# Altium PCB Supply_modulev3.0.PcbDoc (continued)
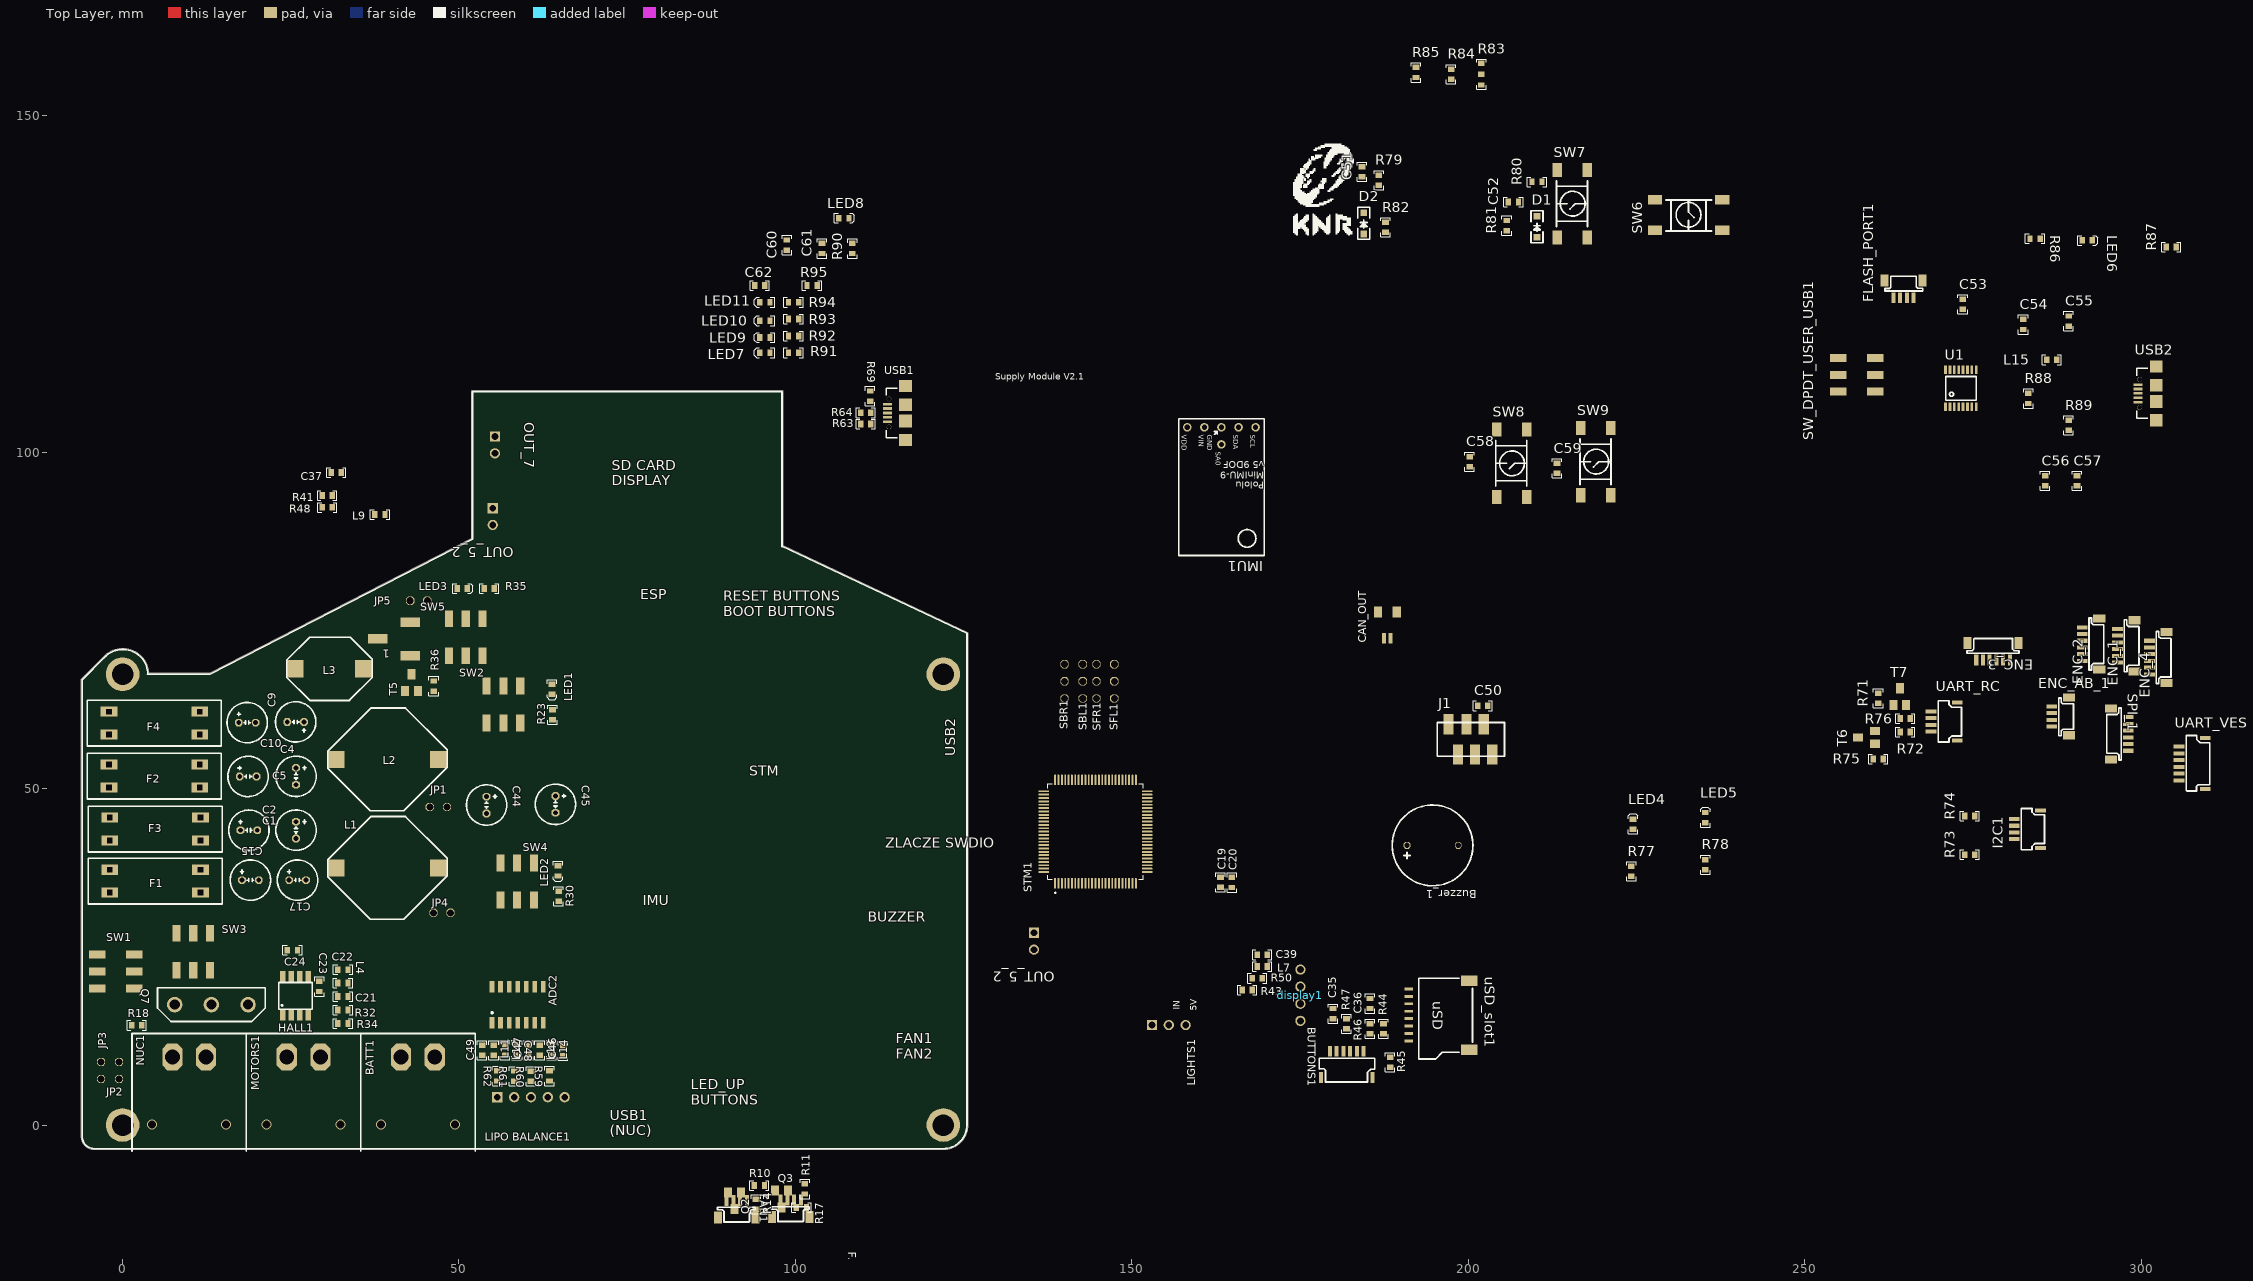
[diagram p0: Top Layer view]
## Components (designator, comment, footprint, x,y, rotation, side; value= is the part's Value field where it differs from the comment) (continued)
R64 "22" R0603 111.221,105.873 r180 top
R65 "22k" R0603 63.464,6.445 r90 bottom
R66 "5.6k" R0603 60.781,6.502 r90 bottom
R67 "8.2k" R0603 58.191,6.579 r90 bottom
R68 "5.6k" R0603 55.753,6.502 r90 bottom
R69 "1.5k" R0603 111.119,109.098 r270 top
R70 "12k" R0603 194.153,58.568 r90 bottom
R71 "Res" R0603 260.951,62.671 r90 top
R72 "Res" R0603 264.201,58.421 r0 top
R73 "Res" R0603 275.3,40.185 r180 top
R74 "Res" R0603 275.3,45.935 r180 top
R75 "Res" R0603 261.701,54.421 r180 top
R76 "Res" R0603 264.201,60.421 r0 top
R77 "Res" R0603 224.241,36.959 r90 top
R78 "Res" R0603 235.241,37.959 r90 top
R79 "Res" R0603 186.725,139.696 r90 top
R80 "Res" R0603 210.975,140.196 r180 top
R81 "Res" R0603 205.725,132.946 r90 top
R82 "Res" R0603 187.725,132.696 r90 top
R83 "Res_2_way" "R0603 - double" 201.975,156.196 r90 top
R84 "Res" R0603 197.475,155.446 r90 top
R85 "Res" R0603 192.225,155.696 r90 top
R86 "Res" R0603 283.5,131.75 r0 top
R87 "Res" R0603 305.25,130.5 r180 top
R88 "Res" R0603 283.25,107.25 r90 top
R89 "Res" R0603 289.25,103.25 r90 top
R90 "Res" R0603 108.471,131.043 r270 top
R91 "Res" R0603 100.471,114.793 r180 top
R92 "Res" R0603 100.471,117.293 r180 top
R93 "Res" R0603 100.471,119.793 r180 top
R94 "Res" R0603 100.471,122.293 r180 top
R95 "Res" R0603 103.221,124.793 r180 top
SBL1 "Servo_con" Raster_2.54_3pin 142.713,68.493 r270 top
SBR1 "Servo_con" Raster_2.54_3pin 140.013,68.493 r270 top
SD1 "" SOD128 36.576,32.385 r0 bottom
SD2 "" SOD128 36.83,48.26 r0 bottom
SD3 "" SOD128 31.25,74.25 r0 bottom
SERVO_CHECK1 "4 PIN CONNECTOR" "JST SR SH 1.0 TOP - 4PIN" 149.928,68.693 r0 bottom
SFL1 "Servo_con" Raster_2.54_3pin 147.403,68.493 r270 top
SFR1 "Servo_con" Raster_2.54_3pin 144.753,68.493 r270 top
SPI_1 "SPI" "JST SR SH 1.0 TOP - 6PIN" 295.55,61.935 r270 top
STM1 "STM32F439VIT6" LQFP100 144.602,43.612 r90 top
SW1 "3-way switch" Slide_Switch 1.727,20.32 r90 top
SW2 "3-way switch" Slide_Switch 54.102,59.741 r0 top
SW3 "3-way switch" Slide_Switch 13,28.5 r180 top
SW4 "3-way switch" Slide_Switch 56.153,33.466 r0 top
SW5 "3-way switch" Slide_Switch 48.5,69.75 r0 top
SW6 "RESET" "LSH Gullwing" 227.75,137.5 r180 top
SW7 "BOOT" "LSH Gullwing" 217.725,141.946 r90 top
SW8 "BOOT" "LSH Gullwing" 208.714,103.355 r90 top
SW9 "RESET" "LSH Gullwing" 221.214,103.605 r90 top
SW_DPDT_USER_USB1 "DPDT_C&K" JS202011SCQN_C&K 255,109 r90 top
T1 "T1" SOT23 194.253,42.318 r0 bottom
T2 "" SOT23 13,24 r180 bottom
T3 "T1" SOT23 56.21,54.534 r180 bottom
T4 "T1" SOT23 58.014,28.169 r180 bottom
T5 "T1" SOT23 42,64.5 r0 top
T6 "T1" SOT23 260.451,56.671 r90 top
T7 "T1" SOT23 263.201,62.421 r0 top
Therm1 "DS18B20" uSOP8 49.606,28.194 r270 bottom
TVS1 "TVS" "TVS DO-214AA" 62.23,92.278 r270 bottom
TVS2 "TVS" "TVS DO-214AA" 136.5,9 r0 bottom
TVS3 "TVS" "TVS DO-214AA" 62.662,98.933 r90 bottom
TVS4 "TVS" "TVS DO-214AA" 68.478,49.809 r270 bottom
U1 "FT230XS_ON_BOARD" SSOP16 275.5,112.25 r0 top
UART_RC "FLASH_PORT1" "JST SR SH 1.0 - 4PIN" 272.701,57.171 r90 top
UART_VESC "UART" "JST SR SH 1.0 - 6PIN" 309.55,49.935 r90 top
USB1 "629105136821" 629105136821 116.369,105.848 r90 top
USB2 "629105136821" 629105136821 302.25,108.75 r90 top
uSD_slot1 "ATTEND 112K-TAA0-RA1" "ATTEND 112K-TAA0-RA1" 200.153,21.818 r270 top

## Footprints (in the part's own frame and the unit in brackets; to place one, negate y for a bottom-side part, rotate by r counter-clockwise, add the part's x,y. Pads: shape width x height; smd on the part's side, far side on the other; paste and mask are expansions set on the pad)
2.5mm [mil]
  oct 45x45 hole 28: 1(0,0) 2(98.43,0)
  silkscreen extent -69,-118 167,118, body extent -49,-98 148,98, height 433
0603#1 [mm]
  rect 0.8x1 smd: 1(0,0) 2(1.5,0)
  silkscreen extent -0.67,-0.71 2.17,0.71, body extent -0.01,-0.43 1.59,0.43, height 0.83
0603#2 [mm]
  rect 1.27x1.143 smd: 1(0,0) 2(2.032,0)
  silkscreen extent -1.02,-0.89 3.05,0.89, body extent 0.22,-0.43 1.82,0.43, height 0.83
"3557-2 KEYSTONE" [mm] "automotive fuse holder"
  rect 2.5x1.5 hole 0.8 square: 1(0,0) 1(0,3.4) 2(13.5,0) 2(13.5,3.4)
  silkscreen extent -3.2,-1.7 16.7,5.1, body extent -3.13,-1.58 16.68,5.15, height 7.94
629105136821 [mm] "Micro USB 2.0 SMT Type B Horizontal 5 Contacts"
  rect 0.4x1.35 smd: 1(-1.3,2.675) 2(-0.65,2.675) 3(0,2.675) 4(0.65,2.675) 5(1.3,2.675)
  round 0.7 hole 0.7 unplated: MH1(-2.075,2.45) MH2(2.075,2.45)
  rect 1.8x1.9 smd: Shell(-4,0) Shell(4,0)
  rect 1.9x1.9 smd: Shell(-1.2,0) Shell(1.2,0)
  silkscreen extent -3.7,1.25 3.7,2.85, body extent -4,-2.73 4,3.17, height 2.69
"ATTEND 112K-TAA0-RA1" [mm]
  rect 0.42x1.3 smd: 1(9.3,-9) 2(8.2,-9) 3(7.1,-9) 4(6,-9) 5(4.9,-9) 6(3.8,-9) 7(2.7,-9) 8(1.6,-9)
  rect 1.5x2.4 smd: ""(0.37,0) ""(10.63,0)
  silkscreen extent 0,-7.5 12,0.5, body extent 0,-8.96 12.1,1, height 1.49
Buzzer_LOUDITY [mm]
  oct 1x1 hole 0.8: 1(-7.6,0) 2(0,0)
  silkscreen extent -9.8,-6 2.2,6, body extent -9.8,-6 5.65,6, height 9.65
CSTCC8M00G53-R0 [mm]
  rect 1.2x4.4 smd: 1(0,0) 2(2.5,0) 3(5,0)
  silkscreen extent -1.27,-2.54 6.35,2.67, body extent -1.06,-1.52 6.14,1.48, height 1.25
DL22 [mm]
  rect 2.54x2.54 smd: 1(0,0) 2(10.16,0)
  silkscreen extent -1.3,-4.7 11.4,4.7
DL50 [mm]
  rect 2.54x2.54 smd: 1(0,0) 2(15.24,0)
  silkscreen extent -1.25,-7.62 16.5,7.62
DS1015-06-06R6SR [mm] "DS1015-06-06R6SR conffly SMT 2x3pin"
  rect 1.5x3 smd: 1(-3.175,2.25) 2(-1.905,-2.25) 3(-0.635,2.25) 4(0.635,-2.25) 5(1.905,2.25) 6(3.35,-2.25)
  silkscreen extent -5,-2.5 5,2.5, body extent -5,-3.5 5,3.5, height 5.35
ESP-WROOM-32 [mm]
  rect 2x0.9 smd: 1(-8.5,16.51) 2(-8.5,15.24) 3(-8.5,13.97) 4(-8.5,12.7) 5(-8.5,11.43) 6(-8.5,10.16) 7(-8.5,8.89) 8(-8.5,7.62) 9(-8.5,6.35) 10(-8.5,5.08) 11(-8.5,3.81) 12(-8.5,2.54) 13(-8.5,1.27) 14(-8.5,0) 25(8.5,0) 26(8.5,1.27) 27(8.5,2.54) 28(8.5,3.81) 29(8.5,5.08) 30(8.5,6.35) 31(8.5,7.62) 32(8.5,8.89) 33(8.5,10.16) 34(8.5,11.43) 35(8.5,12.7) 36(8.5,13.97) 37(8.5,15.24) 38(8.5,16.51)
  rect 0.9x2 smd: 15(-5.715,-1) 16(-4.445,-1) 17(-3.175,-1) 18(-1.905,-1) 19(-0.635,-1) 20(0.635,-1) 21(1.905,-1) 22(3.175,-1) 23(4.445,-1) 24(5.715,-1)
  rect 5x5 smd: ""(-1,9.01)
  silkscreen extent -9,0.51 9,24, body extent -9,-1.5 9,24, height 2.91
JS202011SCQN_C&K [mm]
  rect 1.2x2.5 smd: 1(0,-5.5) 2(2.5,-5.5) 3(5,-5.5) 4(0,0) 5(2.5,0) 6(5,0)
  body extent -2,-6.55 7,0.95, height 5.52
"JST SR SH 1.0 - 2pin" [mm]
  rect 1.2x1.6 smd: 0(0,0) 0(2.8,0)
  rect 0.6x1.6 smd: 1(0.9,3.9) 2(1.9,3.9)
  body extent -0.59,-0.87 3.4,4.12, height 3
"JST SR SH 1.0 - 4PIN" [mm]
  rect 0.6x1.6 smd: 1(1.3,3.9) 2(2.3,3.9) 3(3.3,3.9) 4(4.3,3.9) 7(5.6,0) 8(0,0)
  silkscreen extent -0.25,-0.61 5.87,2.85, body extent -0.22,-0.75 5.77,4.2, height 2.96
"JST SR SH 1.0 - 6PIN" [mm]
  rect 0.6x1.6 smd: 1(1.3,3.9) 2(2.3,3.9) 3(3.3,3.9) 4(4.3,3.9) 5(5.3,3.9) 6(6.3,3.9) 7(7.6,0) 8(0,0)
  silkscreen extent -0.28,-0.66 7.98,2.84, body extent -0.16,-0.66 7.84,4.29, height 2.9
"JST SR SH 1.0 TOP - 4PIN" [mm]
  rect 0.6x1.6 smd: 1(1.3,2.55) 2(2.3,2.55) 3(3.3,2.55) 4(4.3,2.55)
  rect 1.2x1.8 smd: 7(5.6,0) 8(0,0)
  silkscreen extent -0.05,-0.66 5.55,1.52, body extent -0.22,-0.88 5.77,2.72, height 4.35
"JST SR SH 1.0 TOP - 6PIN" [mm]
  rect 0.6x1.6 smd: 1(1.3,2.55) 2(2.3,2.55) 3(3.3,2.55) 4(4.3,2.55) 5(5.3,2.55) 6(6.3,2.55)
  rect 1.2x1.8 smd: 7(7.6,0) 8(0,0)
  silkscreen extent -0.05,-0.66 7.67,1.52, body extent -0.19,-0.74 7.81,2.86, height 4.25
"JST XH 2 TOP" [mil]
  rect 60x60 hole 39.37: 1(0,0)
  round 60 hole 39.37: 2(98.43,0)
  body extent -94,-98 188,132, height 284
"JST XH 3 TOP" [mil]
  rect 60x60 hole 39.37: 1(0,0)
  round 60 hole 39.37: 2(98.43,0) 3(196.85,0)
  body extent -92,-98 289,132, height 284
"JST XH 5" [mil]
  rect 60x60 hole 39.37: 1(0,0)
  round 60 hole 39.37: 2(98.43,0) 3(196.85,0) 4(295.28,0) 5(393.7,0)
  body extent -99,-289 491,11, height 238
LQFP100 [mm]
  rrect50% 1.56x0.28 smd: 1(-7.68,6) 2(-7.68,5.5) 3(-7.68,5) 4(-7.68,4.5) 5(-7.68,4) 6(-7.68,3.5) 7(-7.68,3) 8(-7.68,2.5) 9(-7.68,2) 10(-7.68,1.5) 11(-7.68,1) 12(-7.68,0.5) 13(-7.68,0) 14(-7.68,-0.5) 15(-7.68,-1) 16(-7.68,-1.5) 17(-7.68,-2) 18(-7.68,-2.5) 19(-7.68,-3) 20(-7.68,-3.5) 21(-7.68,-4) 22(-7.68,-4.5) 23(-7.68,-5) 24(-7.68,-5.5) 25(-7.68,-6) 51(7.68,-6) 52(7.68,-5.5) 53(7.68,-5) 54(7.68,-4.5) 55(7.68,-4) 56(7.68,-3.5) 57(7.68,-3) 58(7.68,-2.5) 59(7.68,-2) 60(7.68,-1.5) 61(7.68,-1) 62(7.68,-0.5) 63(7.68,0) 64(7.68,0.5) 65(7.68,1) 66(7.68,1.5) 67(7.68,2) 68(7.68,2.5) 69(7.68,3) 70(7.68,3.5) 71(7.68,4) 72(7.68,4.5) 73(7.68,5) 74(7.68,5.5) 75(7.68,6)
  rrect50% 0.28x1.56 smd: 26(-6,-7.68) 27(-5.5,-7.68) 28(-5,-7.68) 29(-4.5,-7.68) 30(-4,-7.68) 31(-3.5,-7.68) 32(-3,-7.68) 33(-2.5,-7.68) 34(-2,-7.68) 35(-1.5,-7.68) 36(-1,-7.68) 37(-0.5,-7.68) 38(0,-7.68) 39(0.5,-7.68) 40(1,-7.68) 41(1.5,-7.68) 42(2,-7.68) 43(2.5,-7.68) 44(3,-7.68) 45(3.5,-7.68) 46(4,-7.68) 47(4.5,-7.68) 48(5,-7.68) 49(5.5,-7.68) 50(6,-7.68) 76(6,7.68) 77(5.5,7.68) 78(5,7.68) 79(4.5,7.68) 80(4,7.68) 81(3.5,7.68) 82(3,7.68) 83(2.5,7.68) 84(2,7.68) 85(1.5,7.68) 86(1,7.68) 87(0.5,7.68) 88(0,7.68) 89(-0.5,7.68) 90(-1,7.68) 91(-1.5,7.68) 92(-2,7.68) 93(-2.5,7.68) 94(-3,7.68) 95(-3.5,7.68) 96(-4,7.68) 97(-4.5,7.68) 98(-5,7.68) 99(-5.5,7.68) 100(-6,7.68)
  silkscreen extent -9.15,-7.1 7.1,7.1, body extent -8,-8 8,8, height 1.5
"LSH Gullwing" [mm]
  rect 2.1x1.4 smd: 1(-10,4.5) 2(0,4.5) 3(-10,0) 4(0,0)
  silkscreen extent -8.4,0 -1.6,4.6, body extent -10,-0.75 0,5.25, height 4.97
"MinIMU-9 v5 9DOF - GOLDPINS" [mil]
  round 50 hole 30: 1(-450,50) 2(-350,50) 3(-250,50) 4(-150,50) 5(-50,50) 6(-250,150)
  round 90 hole 90: 7(-400,700)
  silkscreen extent -500,0 0,800, body extent -500,0 0,800, height 336
POTENTIOMETER_1806 [mm]
  rect 1.4x2.9 smd: 1(0,0) 2(5,0) 3(2.5,4.8)
  body extent -1,0 6,5, height 7.9
R0603 [mm]
  rect 0.8x1 smd: 1(0,0) 2(1.5,0)
  silkscreen extent -0.67,-0.71 2.17,0.71, body extent -0.04,-0.43 1.56,0.43, height 0.48
"R0603 - double" [mil]
  rect 31x38 smd: 1(-63,0) 2(0,0) 3(62.99,0)
  silkscreen extent -88,-28 87,28, body extent -64,-17 67,17, height 19
Raster_2.54_2pin [mm]
  oct 1.22x1.22 hole 1.05: 1(0,0) 2(2.54,0)
  body extent -1.3,-1.27 3.78,1.27, height 8.54
Raster_2.54_3pin [mm]
  oct 1.22x1.22 hole 1.05: 1(0,0) 2(2.54,0) 3(5.08,0)
  body extent -1.27,-1.27 6.35,1.27, height 8.57
Slide_Switch [mm] "Ningi"
  rect 1.2x2.5 smd: 1(2.5,5.5) 1(2.5,0) 2(5,0) 2(5,5.5) 3(0,5.5) 3(0,0)
  body extent -2.05,-0.75 7,6.15, height 5.45
SO8#1 [mm]
  rect 0.8x1.75 smd: 1(-1.905,-3.048) 2(-0.635,-3.048) 3(0.635,-3.048) 4(1.905,-3.048) 5(1.905,2.552) 6(0.635,2.552) 7(-0.635,2.552) 8(-1.905,2.552)
  silkscreen extent -2.5,-2.25 2.49,1.75, body extent -2.41,-3.14 2.5,2.64, height 1.45
SO8#2 [mm]
  rect 0.8x1.75 smd: 1(0,0) 1(1.27,0) 2(2.54,0) 2(3.81,0) 3(0,5.6) 4(1.27,5.6) 5(2.54,5.6) 6(3.81,5.6)
  silkscreen extent -0.6,0.8 4.4,4.8, body extent -0.5,-0.09 4.4,5.69, height 1.45
SO8#3 [mm]
  rect 0.8x1.75 smd: 1(3.81,0) 2(0,5.6) 2(1.27,5.6) 2(2.54,5.6) 2(3.81,5.6) 3(0,0) 3(1.27,0) 3(2.54,0)
  silkscreen extent -0.6,0.8 4.4,4.8, body extent -0.5,-0.09 4.4,5.69, height 1.45
SOD123 [mm]
  rect 1x1 smd: 1(0,0) 2(3.15,0)
  silkscreen extent -0.8,-0.9 3.95,0.9, body extent -0.15,-0.8 3.55,0.8, height 1.27
SOD128 [mm]
  rect 1.5x2.1 smd: 1(4.4,0) 2(0,0)
  silkscreen extent 1.45,-0.63 2.85,0.57, body extent -0.29,-1.35 4.71,1.35, height 1.1
SOIC-14 [mm]
  rect 0.7x1.7 smd: 1(0,0) 2(1.27,0) 3(2.54,0) 4(3.81,0) 5(5.08,0) 6(6.35,0) 7(7.62,0) 8(7.62,5.4) 9(6.35,5.4) 10(5.08,5.4) 11(3.81,5.4) 12(2.54,5.4) 13(1.27,5.4) 14(0,5.4)
  silkscreen extent -0.14,1.36 0.14,1.64, body extent -0.6,-0.3 8.2,5.7, height 1.7
SOP-8L-DEP [mm]
  rect 0.8x1.75 smd: 1(0,0) 2(1.27,0) 3(2.54,0) 4(3.81,0) 5(2.54,5.6) 5(3.81,5.6) 6(0,5.6) 6(1.27,5.6)
  rrect10% 1.2x2.4 smd: 5(3.23,2.75)
  rrect10% 1.65x2.4 smd: 6(0.93,2.7)
  silkscreen extent -0.6,0.8 4.4,4.8, body extent -0.5,-0.09 4.4,5.69, height 1.45
SOT23 [mm]
  rect 1.2x1.5 smd: 1(0,0) 2(1.9,0) 3(0.95,2.5)
  body extent -0.48,0.02 2.52,2.52, height 1.06
SOT223 [mm] "MIC5209-3.6YS"
  rect 1.1x1.6 smd: 1(0,0) 2(2.3,0) 3(4.6,0)
  rect 4x1.6 smd: 2(2.3,6.5)
  body extent -0.95,-0.23 5.55,6.73, height 1.7
SSD1306 [mil]
  round 60 hole 41.34: 1(0,0) 2(100,0) 3(200,0) 4(300,0)
  body extent -376,-1006 675,91, height 258
SSOP16 [mm]
  rect 0.42x1.3 smd: 1(-4.55,-5.5) 2(-3.9,-5.5) 3(-3.25,-5.5) 4(-2.6,-5.5) 5(-1.95,-5.5) 6(-1.3,-5.5) 7(-0.65,-5.5) 8(0,-5.5) 9(0,0) 10(-0.65,0) 11(-1.3,0) 12(-1.95,0) 13(-2.6,0) 14(-3.25,0) 15(-3.9,0) 16(-4.55,0)
  silkscreen extent -4.5,-4.5 0,-1, body extent -4.91,-6 0.39,0.46, height 1.65
"TO252 (DPAK)" [mm]
  rect 1.5x2.8 smd: 1(0,0) 3(4.572,0)
  rect 6.3x6.1 smd: 2(2.286,6.27)
  body extent -0.94,-0.72 5.6,9.22, height 2.41
TO263-5 [mm]
  rect 1.1x4 smd: 1(-3.4,0) 2(-1.7,0) 3(0,0) 4(1.7,0) 5(3.4,0)
  rect 10x9 smd: 3(0,9.1)
TO-247-3 [mm]
  round 2.3 hole 1.5: 1(-5.45,0) 2(5.45,0) 3(0,0)
  silkscreen extent -8,-2.5 8,2.5, body extent -8.13,-3.1 8.13,2.2, height 29.16
"TVS DO-214AA" [mm]
  rect 2.3x2.5 smd: 1(0,0) 2(4.3,0)
  silkscreen extent -1.5,-2.16 5.8,2.16, body extent -0.46,-1.95 5.04,1.95, height 2.45
uSOP8 [mm]
  rect 0.4x1.35 smd: 1(0,0) 2(0.65,0) 3(1.3,0) 4(1.95,0) 5(1.95,4.3) 6(1.3,4.3) 7(0.65,4.3) 8(0,4.3)
  silkscreen extent -0.13,1.14 0.13,1.4, body extent -0.53,-0.42 2.57,4.48, height 1.1
XT30-katowy-in [mm]
  oct 3x4 hole 2.2: 1(-2.5,0) 2(2.5,0)
  silkscreen extent -8.5,-3.5 8.5,14, body extent -6.65,-0.81 6.65,13.14, height 5

## Part data
1: library part Potentiometer
C1 C2 C4 C5 C9 C10 C15 C17 C44 C45: library part Cap_pol
C3 C6 C11 C12 C13 C14 C16 C18 C19 C20 C21 C23 C24 C25 C26 C27 C29 C30 C31 C33 C34 C35 C36 C40 C42 C43 C50: library part Cap
D1 D2: library part Rectifier_diode
FLASH_PORT1 UART_RC: library part "4 PIN CONNECTOR"
IC1: library part 7805T
IC2: library part "Switching regulator"
J1: "Connector 2.54 6P"
L1 L2 L3: library part L
Q2 Q3 Q11 Q12: library part N-MOSFET
R1 R2 R3 R4 R5 R7 R9 R10 R11 R14 R17 R18 R19 R20 R21 R22 R23 R24 R25 R26 R27 R28 R29 R30 R31 R32 R33 R34 R35 R36 R37 R38 R39 R40 R41 R42 R43 R44 R45 R46 R47 R48 R49 R50 R51 R52 R53 R54 R55 R56 R57 R58 R59 R60 R61 R62 R63 R64 R65 R66 R67 R68 R69 R70: library part Res
SD1: library part Schottky_diode, "PMEG3050EP.115"
SD2 SD3: library part Schottky_diode
SW6 SW7 SW8 SW9: library part Tact_Switch_Simply
T1 T2 T3 T4 T5 T6 T7: library part "Transistor NPN"
USB1 USB2: "Micro USB 2.0 Type B Receptacle WR-COM, Horizontal, SMT, with Pads and Pegs"

## Free pads (board coordinates)
  round 5 hole 3.2: 0(0,67) 1(122,67) 2(122,0) 3(0,0)

## Via types
v1: diameter 1.5, hole 1.2, Top Layer to Bottom Layer, 6 vias

## Nets (pads, with @x,y where several pads share a name; then routed paths per layer and width w, separated by ;. In a path a pad name is that pad's centre, name@x,y a point inside that pad or via, vN(x,y) a via of type N, cw(c..) or ccw(c..) an arc to the next point about the centre after c; other vN are vias at no path point)
+3.3V: C19.1 C20.1 C45.1 IC2.3 J1.6 R44.2 R45.2 R69.1 R70.2 STM1.6 STM1.11 STM1.19 STM1.21 STM1.22 STM1.28 STM1.50 STM1.75 STM1.100 TVS4.1
+3.3V: C52.2 C60.2 C61.2 D1.2 D2.2 ENC_1.1 ENC_2.1 ENC_3.1 ENC_4.1 ENC_AB_1.1 ESP1.2 I2C1.1 LED8.1 R71.2 R73.2 R74.2 R75.2 R79.2 R80.1 R84.2 R85.2 R95.2 SPI_1.1 UART_VESC.2 uSD_slot1.4
+5V/1: BUTTONS1.3 C34.1 display1.2 HALL3.2 HALL3.3 JP4.2 LED_UP1.1 LIGHTS1.2 OUT_5_2.1@135.458,28.575 R43.2 TVS2.1
+5V/2: ADC1.13 ADC1.14 ADC2.13 ADC2.14 C14.1 C24.2 C30.2 C43.1 CAN.3 HALL1.3 HALL2.2 HALL2.3 HALL4.3 JP1.2 OUT_5_2.1@55.016,91.694 R19.1 R42.2 Therm1.8 TVS1.1
+5V/2: FLASH_PORT1.1 IMU1.4 UART_RC.1 UART_VESC.1
+7V: HALL4.2 JP5.2 OUT_7.1 R41.2 SBL1.2 SBR1.2 SFL1.2 SFR1.2 TVS3.1
+12V: C17.1 C18.1 FAN1.1 FAN2.1 IC1.3
GND: 1.1 "LIPO BALANCE1.5" ADC1.7 ADC1.12 ADC2.7 ADC2.12 BATT1.2 BUTTONS1.4 C1.2 C2.2 C4.2 C5.2 C9.2 C10.2 C11.2 C12.2 C14.2 C15.2 C16.2 C17.2 C18.2 C19.2 C20.2 C21.2 C22.1 C23.1 C24.1 C25.2 C26.2 C27.2 C28.2 C29.2 C30.1 C31.1 C32.1 C33.1 C34.2 C35.2 C36.2 C37.2 C38.2 C39.2 C40.1 C41.1 C42.1 C43.2 C44.2 C45.2 C46.2 C47.2 C48.2 C49.2 C50.2 C51.2 C53.2 C54.1 C55.1 C56.2 C57.2 C58.2 C59.2 C60.1 C61.1 C62.2 CAN.2 CAN.8 CONV1.3 CONV2.3 CONV3.6 display1.1 ENC_1.2 ENC_2.2 ENC_3.2 ENC_4.2 ENC_AB_1.2 ESP1.1 ESP1.15 ESP1.38 FLASH_PORT1.4 HALL1.6 HALL2.6 HALL3.6 HALL4.6 I2C1.2 IC1.2 IC2.2 IMU1.3 J1.4 LED4.2 LED5.2 LED7.2 LED9.2 LIGHTS1.3 MOTORS1.2 NUC1.2 Oscilator_1.2 OUT_5_2.2 OUT_7.2 Q2.2 Q3.2 Q8.2 Q11.2 Q12.2 R2.1 R4.1 R8.1 R14.2 R17.2 R23.1 R27.1 R30.1 R32.2 R35.1 R37.2 R39.2 R48.1 R49.1 R50.1 R53.2 R57.2 R58.2 R65.1 R66.1 R67.1 R68.1 R81.1 R82.1 R83.3 R87.2 R90.2 SBL1.1 SBR1.1 SD1.1 SD2.1 SD3.1 SFL1.1 SFR1.1 SPI_1.2 STM1.10 STM1.20 STM1.27 STM1.74 STM1.99 SW1.3 SW2.3 SW3.3 SW4.3 SW5.3 SW8.1 SW8.2 SW9.1 SW9.2 T1.2 T2.2 T3.2 T4.2 T5.2 T6.2 T7.2 Therm1.4 TVS1.2 TVS2.2 TVS3.2 TVS4.2 U1.5 U1.13 UART_RC.4 UART_VESC.5 UART_VESC.6 USB1.4 USB1.5 USB1.Shell USB2.4 USB2.5 uSD_slot1.6
Net1_2: 1.2 C8.1 C9.1 JP5.1 L3.1 Q10.2 R6.2 R33.2
Net1_3: 1.3 C8.2 CONV3.1 R6.1 R8.2
NetADC1_1: ADC1.1 C22.2 L4.1
NetADC1_2: ADC1.2 C32.2 L6.1
NetADC1_3: ADC1.3 C28.1 L5.1
NetADC1_4: ADC1.4 C41.2 L10.1
NetADC1_8: ADC1.8 STM1.2
NetADC1_9: ADC1.9 ADC2.9 SPI_1.3 STM1.5
NetADC1_10: ADC1.10 ADC2.10 SPI_1.4 STM1.4
NetADC1_11: ADC1.11 ADC2.11 SPI_1.5 STM1.1
NetADC2_1: ADC2.1 C49.1 L11.1
NetADC2_2: ADC2.2 C48.1 L12.1
NetADC2_3: ADC2.3 C47.1 L13.1
NetADC2_4: ADC2.4 C46.1 L14.1
NetADC2_8: ADC2.8 STM1.3
NetBUTTONS1_1: BUTTONS1.1 R52.2
NetBUTTONS1_2: BUTTONS1.2 R51.2
NetBUTTONS1_5: BUTTONS1.5 R45.1 R47.2
NetBUTTONS1_6: BUTTONS1.6 R44.1 R46.2
NetBuzzer_1_1: Buzzer_1.1 T1.3
NetBuzzer_1_2: Buzzer_1.2 R19.2
NetC1_1: C1.1 CONV1.4 JP4.1 L1.1 Q9.3 R29.2
NetC2_1: C2.1 C3.1 CONV1.1 F3.2
NetC3_2: C3.2 R1.1
NetC4_1: C4.1 C44.1 CONV2.4 IC2.1 JP1.1 L2.1 Q5.3 R20.2
NetC5_1: C5.1 C6.1 CONV2.1 F2.2
NetC6_2: C6.2 R3.1
NetC7_1: C7.1 C10.1 C11.1 CONV3.4 F4.2 R5.2 R7.2
NetC7_2: C7.2 CONV3.3 R5.1
NetC12_1: C12.1 CONV3.2 R7.1
NetC13_1: C13.1 CAN.7 CAN_OUT.1 R9.1
NetC13_2: C13.2 CAN.6 CAN_OUT.2 R9.2
NetC15_1: C15.1 C16.1 F1.2 IC1.1
NetC21_1: C21.1 L4.2 R32.1 R34.2
NetC23_2: C23.2 HALL1.5
NetC25_1: C25.1 C26.1 STM1.49 STM1.73
NetC27_1: C27.1 L5.2 R37.1 R38.2
NetC29_1: C29.1 HALL2.5
NetC31_2: C31.2 L6.2 R39.1 R40.2
NetC33_2: C33.2 HALL3.5
NetC35_1: C35.1 R47.1 STM1.51
NetC36_1: C36.1 R46.1 STM1.52
NetC37_1: C37.1 L9.1 STM1.15
NetC38_1: C38.1 L8.1 STM1.35
NetC39_1: C39.1 L7.1 STM1.34
NetC40_2: C40.2 L10.2 R53.1 R54.2
NetC42_2: C42.2 HALL4.5
NetC50_1: C50.1 C51.1 D2.1 ESP1.36 J1.2 R70.1 R79.1 STM1.14 SW6.1 SW6.2
NetC52_1: C52.1 D1.1 ESP1.33 R81.2 STM1.94 SW7.1 SW7.2
NetC53_1: C53.1 LED6.1 U1.3 U1.10 U1.11
NetC54_2: C54.2 L15.1 U1.12
NetC55_2: C55.2 L15.2 USB2.1
NetC56_1: C56.1 R88.2 USB2.2
NetC57_1: C57.1 R89.2 USB2.3
NetC58_1: C58.1 ESP1.25 SW8.3 SW8.4
NetC59_1: C59.1 C62.1 ESP1.3 R95.1 SW9.3 SW9.4
NetCAN_1: CAN.1 STM1.82
NetCAN_4: CAN.4 STM1.81
NetCONV1_2: CONV1.2 L1.2 SD1.2
NetCONV1_5: CONV1.5 R1.2 R2.2
NetCONV2_2: CONV2.2 L2.2 SD2.2
NetCONV2_5: CONV2.5 R3.2 R4.2
NetCONV3_5: CONV3.5 L3.2 SD3.2
Netdisplay1_3: display1.3 STM1.47
Netdisplay1_4: display1.4 STM1.48
NetENC_1_3: ENC_1.3 ENC_2.3 ENC_3.3 ENC_4.3 STM1.91
NetENC_1_4: ENC_1.4 ENC_2.4 ENC_3.4 ENC_4.4 STM1.90
NetENC_1_5: ENC_1.5 ENC_2.5 ENC_3.5 ENC_4.5 STM1.89
NetENC_1_6: ENC_1.6 STM1.88
NetENC_2_6: ENC_2.6 STM1.87
NetENC_3_6: ENC_3.6 STM1.86
NetENC_4_6: ENC_4.6 STM1.85
NetENC_AB_1_3: ENC_AB_1.3 STM1.63
NetENC_AB_1_4: ENC_AB_1.4 STM1.64
NetESP1_6: ESP1.6 R94.1
NetESP1_7: ESP1.7 R93.1
NetESP1_8: ESP1.8 R92.1
NetESP1_9: ESP1.9 R91.1
NetESP1_27: ESP1.27 STM1.78
NetESP1_28: ESP1.28 STM1.79
NetESP1_29: ESP1.29 uSD_slot1.2
NetESP1_30: ESP1.30 uSD_slot1.5
NetESP1_31: ESP1.31 uSD_slot1.7
NetESP1_34: ESP1.34 SW_DPDT_USER_USB1.6
NetESP1_35: ESP1.35 SW_DPDT_USER_USB1.3
NetESP1_37: ESP1.37 uSD_slot1.3
NetF1_1: F1.1 F2.1 F3.1 F4.1 JP2.1 JP3.1 Q6.2
NetFAN1_2: FAN1.2 Q2.3
NetFAN2_2: FAN2.2 Q3.3
NetFLASH_PORT1_2: FLASH_PORT1.2 SW_DPDT_USER_USB1.5 U1.1
NetFLASH_PORT1_3: FLASH_PORT1.3 SW_DPDT_USER_USB1.2 U1.4
NetHALL1_2: HALL1.2 MOTORS1.1
NetHALL1_4: HALL1.4 R34.1
NetHALL2_1: HALL2.1 LED1.1 Q5.2
NetHALL2_4: HALL2.4 R38.1
NetHALL3_1: HALL3.1 LED2.1 Q9.2
NetHALL3_4: HALL3.4 R40.1
NetHALL4_1: HALL4.1 LED3.1 Q10.3
NetHALL4_4: HALL4.4 R54.1
NetI2C1_3: I2C1.3 R73.1 STM1.67
NetI2C1_4: I2C1.4 R74.1 STM1.66
NetIMU1_1: IMU1.1 R84.1 STM1.92
NetIMU1_2: IMU1.2 R85.1 STM1.93
NetIMU1_5: IMU1.5 R83.1
NetIMU1_6: IMU1.6 R83.2
NetJ1_3: J1.3 STM1.72
NetJ1_5: J1.5 STM1.76
NetL7_2: L7.2 R43.1 R50.2
NetL8_2: L8.2 R42.1 R49.2
NetL9_2: L9.2 R41.1 R48.2
NetL11_2: L11.2 R62.1 R68.2
NetL12_2: L12.2 R61.1 R67.2
NetL13_2: L13.2 R60.1 R66.2
NetL14_2: L14.2 R59.1 R65.2
NetLED1_2: LED1.2 R23.2
NetLED2_2: LED2.2 R30.2
NetLED3_2: LED3.2 R35.2
NetLED4_1: LED4.1 R77.2
NetLED5_1: LED5.1 R78.2
NetLED6_2: LED6.2 R86.1
NetLED7_1: LED7.1 R91.2
NetLED8_2: LED8.2 R90.1
NetLED9_1: LED9.1 R92.2
NetLED10_1: LED10.1 R93.2
NetLED11_1: LED11.1 R94.2
NetLED_UP1_2: LED_UP1.2 R24.2
NetLIGHTS1_1: LIGHTS1.1 STM1.44
"NetLIPO BALANCE1_1": "LIPO BALANCE1.1" R62.2
"NetLIPO BALANCE1_2": "LIPO BALANCE1.2" R61.2
"NetLIPO BALANCE1_3": "LIPO BALANCE1.3" R60.2
"NetLIPO BALANCE1_4": "LIPO BALANCE1.4" R59.2
NetOscilator_1_1: Oscilator_1.1 STM1.13
NetOscilator_1_3: Oscilator_1.3 STM1.12
NetQ2_1: Q2.1 R10.1 R14.1
NetQ3_1: Q3.1 R11.1 R17.1
NetQ5_1: Q5.1 R20.1 SW2.1 T3.3
NetQ6_1: Q6.1 R21.1 SW3.1 T2.3
NetQ7_1: Q7.1 R18.1
NetQ8_1: Q8.1 R27.2 R28.1
NetQ8_3: Q8.3 R24.1
NetQ9_1: Q9.1 R29.1 SW4.1 T4.3
NetQ10_1: Q10.1 R33.1 SW5.1 T5.3
NetQ11_1: Q11.1 R55.2 R57.1
NetQ11_3: Q11.3 R51.1
NetQ12_1: Q12.1 R56.1 R58.1
NetQ12_3: Q12.3 R52.1
NetR10_2: R10.2 STM1.23
NetR11_2: R11.2 STM1.24
NetR18_2: R18.2 SW1.1
NetR22_1: R22.1 STM1.42
NetR22_2: R22.2 T1.1
NetR25_1: R25.1 T3.1
NetR25_2: R25.2 STM1.16
NetR26_1: R26.1 T2.1
NetR26_2: R26.2 STM1.7
NetR28_2: R28.2 STM1.45
NetR31_1: R31.1 STM1.17
NetR31_2: R31.2 T4.1
NetR36_1: R36.1 STM1.8
NetR36_2: R36.2 T5.1
NetR55_1: R55.1 STM1.54
NetR56_2: R56.2 STM1.53
NetR63_1: R63.1 USB1.2
NetR63_2: R63.2 STM1.70
NetR64_1: R64.1 R69.2 USB1.3
NetR64_2: R64.2 STM1.71
NetR71_1: R71.1 R75.1 T6.3 T7.3
NetR72_1: R72.1 T6.1
NetR72_2: R72.2 UART_RC.2
NetR76_1: R76.1 T7.1
NetR76_2: R76.2 UART_RC.3
NetR77_1: R77.1
NetR78_1: R78.1
NetR80_2: R80.2 SW7.3 SW7.4
NetR82_2: R82.2 SW6.3 SW6.4
NetR86_2: R86.2 R87.1 U1.15
NetR88_1: R88.1 U1.9
NetR89_1: R89.1 U1.8
NetSBL1_3: SBL1.3 SERVO_CHECK1.3 STM1.61
NetSBR1_3: SBR1.3 SERVO_CHECK1.4 STM1.62
NetSERVO_CHECK1_1: SERVO_CHECK1.1 SFL1.3 STM1.59
NetSERVO_CHECK1_2: SERVO_CHECK1.2 SFR1.3 STM1.60
NetSPI_1_6: SPI_1.6 STM1.98
NetSTM1_38: STM1.38 SW_DPDT_USER_USB1.4
NetSTM1_39: STM1.39 SW_DPDT_USER_USB1.1
NetSTM1_58: STM1.58 Therm1.1
NetUART_VESC_3: UART_VESC.3
NetUART_VESC_4: UART_VESC.4
NetuSD_slot1_1: uSD_slot1.1
NetuSD_slot1_8: uSD_slot1.8
VCC: HALL1.1 JP2.2 JP3.2 NUC1.1 Q6.3 Q7.3 R21.2
VCC_M: BATT1.1 Q7.2 SW1.2
pads on no net: ADC1.5 ADC1.6 ADC2.5 ADC2.6 BUTTONS1.7 BUTTONS1.8 CAN.5 CAN_OUT.0 ENC_1.7 ENC_1.8 ENC_2.7 ENC_2.8 ENC_3.7 ENC_3.8 ENC_4.7 ENC_4.8 ENC_AB_1.7 ENC_AB_1.8 ESP1. ESP1.4 ESP1.5 ESP1.10 ESP1.11 ESP1.12 ESP1.13 ESP1.14 ESP1.16 ESP1.17 ESP1.18 ESP1.19 ESP1.20 ESP1.21 ESP1.22 ESP1.23 ESP1.24 ESP1.26 ESP1.32 FAN1.3 FAN1.4 FAN1.7 FAN1.8 FAN2.3 FAN2.4 FAN2.7 FAN2.8 FLASH_PORT1.7 FLASH_PORT1.8 I2C1.7 I2C1.8 IMU1.7 J1.1 LED10.2 LED11.2 LED_UP1.0 SERVO_CHECK1.7 SERVO_CHECK1.8 SPI_1.7 SPI_1.8 STM1.9 STM1.18 STM1.25 STM1.26 STM1.29 STM1.30 STM1.31 STM1.32 STM1.33 STM1.36 STM1.37 STM1.40 STM1.41 STM1.43 STM1.46 STM1.55 STM1.56 STM1.57 STM1.65 STM1.68 STM1.69 STM1.77 STM1.80 STM1.83 STM1.84 STM1.95 STM1.96 STM1.97 SW2.2 SW3.2 SW4.2 SW5.2 Therm1.2 Therm1.3 Therm1.5 Therm1.6 Therm1.7 U1.2 U1.6 U1.7 U1.14 U1.16 UART_RC.7 UART_RC.8 UART_VESC.7 UART_VESC.8 USB1.1 USB1.MH1 USB1.MH2 USB2.MH1 USB2.MH2 USB2.Shell uSD_slot1.
copper on no net:
  other v1: 4.4,0.1 15.4,0.1 21.4,0.1 32.4,0.1 38.4,0.1 49.4,0.1

## Silkscreen, mask and mechanical layers (free items; w line width, h text height)
Top Overlay:
  drawing of 27 lines, arcs and shapes, not listed
  text "Supply Module V2.1" at 129.725,110.742 h1
  text "SD CARD / DISPLAY" at 72.669,95.072 h1.52
  text "ESP" at 76.937,78.156 h1.52
  text "RESET BUTTONS / BOOT BUTTONS" at 89.306,75.641 h1.52
  text "USB2" at 123.774,54.788 h1.52 r90
  text "STM" at 93.116,51.943 h1.52
  text "ZLACZE SWDIO" at 113.386,41.25 h1.52
  text "IMU" at 77.292,32.639 h1.52
  text "BUZZER" at 110.719,30.251 h1.52
  text "IN" at 157.103,17.168 h1 r90
  text "5V" at 159.653,17.018 h1 r90
  text "FAN1 / FAN2" at 114.91,9.881 h1.52
  text "LED_UP / BUTTONS" at 84.455,3.048 h1.52
  text "USB1  / (NUC)" at 72.39,-1.549 h1.52

## Text inside footprints (layer, text, board x,y; h text height)
display1: Bottom Overlay "GND" at 173.453,15.518 h1.2; Bottom Overlay "VDD" at 173.553,17.518 h1.2; Bottom Overlay "SCK" at 173.653,20.018 h1.2; Bottom Overlay "SDA" at 173.753,22.818 h1.2
ESP1: Bottom Overlay "Antena" at 199.353,15.568 h1.52 r270; Bottom Overlay "ESP32" at 195.163,21.068 h1.52 r270
IMU1: Top Overlay "SA0" at 162.509,100.076 h0.76 r270; Top Overlay "VDD" at 157.429,102.616 h0.76 r270; Top Overlay "VIN" at 159.969,102.616 h0.76 r270; Top Overlay "GND" at 161.239,102.616 h0.76 r270; Top Overlay "SDA" at 165.049,102.616 h0.76 r270; Top Overlay "SCL" at 167.589,102.616 h0.76 r270; Top Overlay "Pololu  / MinIMU-9  / v5 9DOF" at 169.672,98.628 h1.02 r180
USB1: Mechanical 2 "PCB Edge" at 118.469,104.648 h0.41 r90
USB2: Mechanical 2 "PCB Edge" at 304.35,107.55 h0.41 r90
uSD_slot1: Top Overlay "uSD" at 194.703,18.368 h1.52 r270